# Allegro board LAY-27392_C.brd (continued)
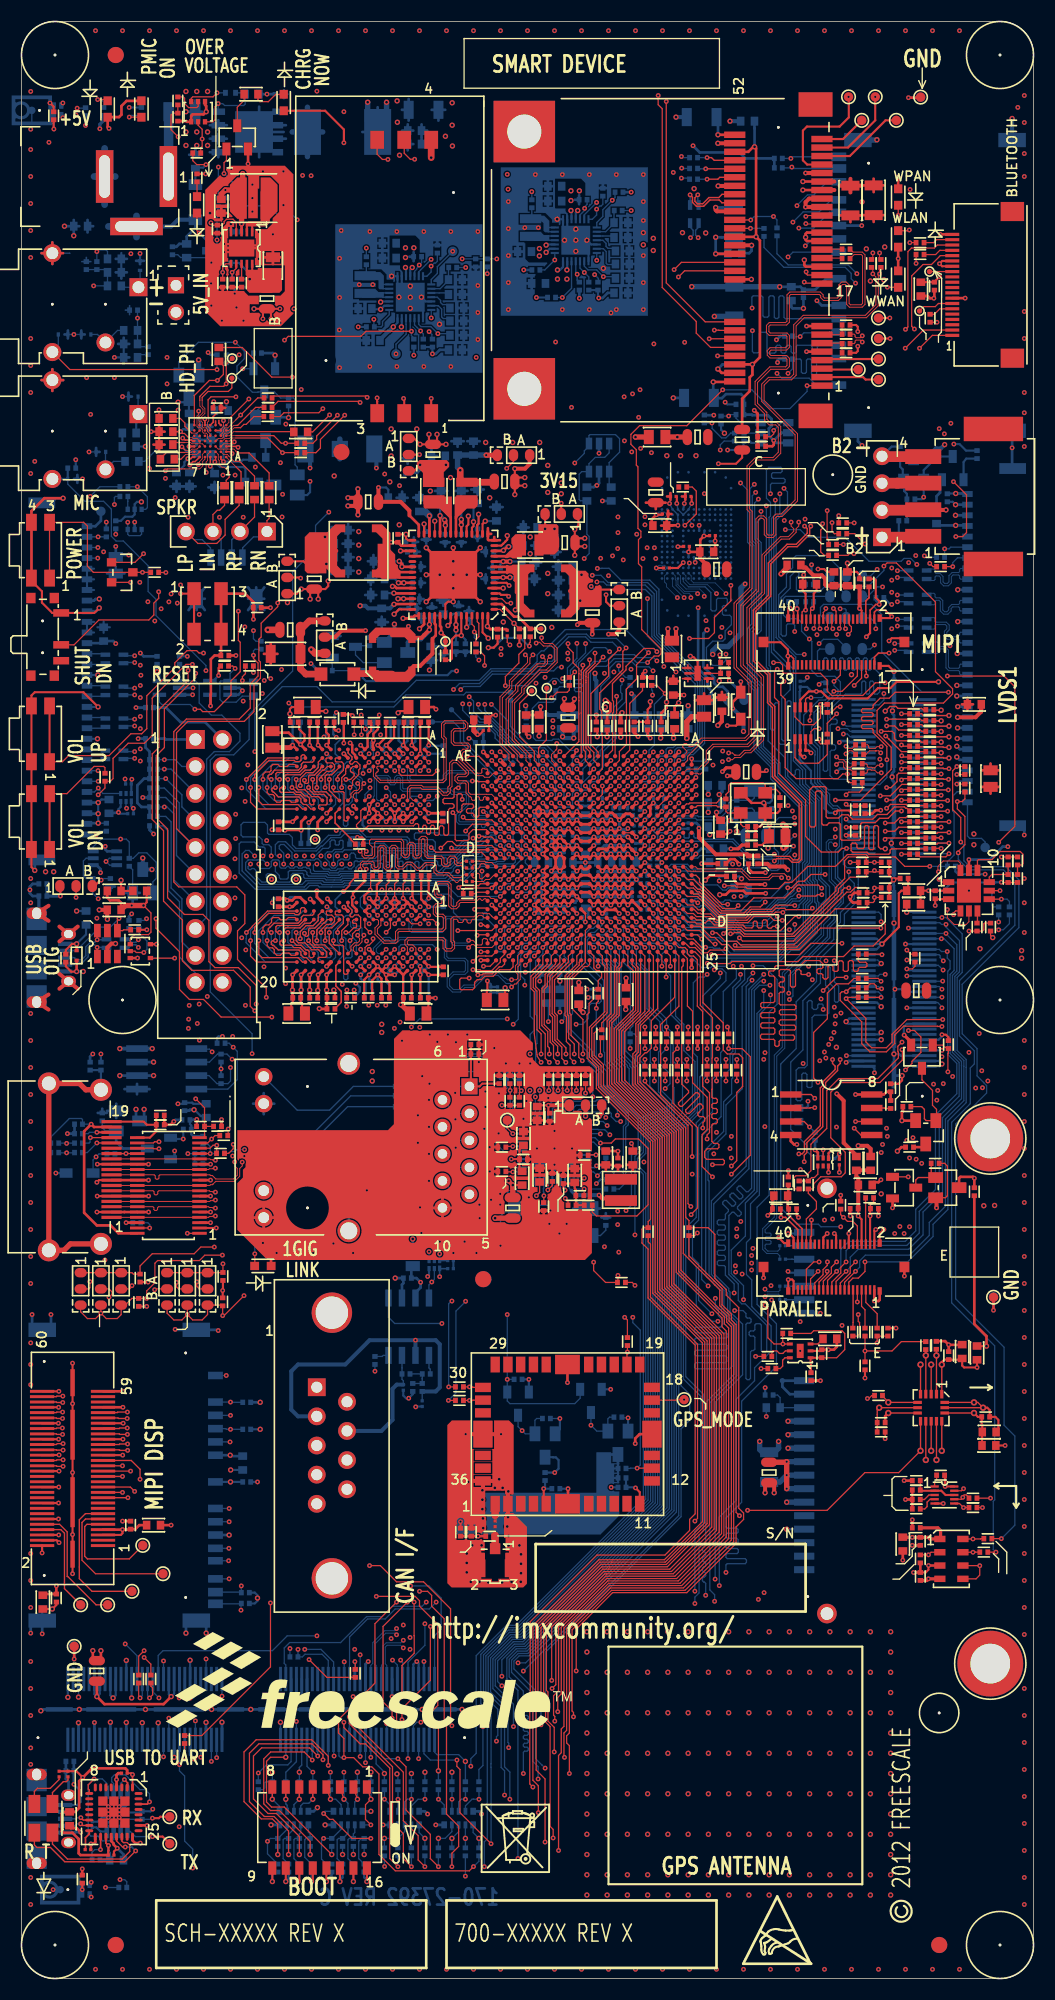
[diagram p0: board, top side]
## Routing (per net, layer and track width the routed paths; a pad name or vN(x,y) marks a point on that pad's centre or on a via; arc(x,y) is an arc through that point) (continued)
BAT_CEN_B: length 21.3
  L3_INT_1 w0.114: v1(41.48,161.8) 39.73,160.05 39.73,157.4 38.57,156.25 v1(38.57,156.25)
  L6_INT_2 w0.114: v1(54.14,161.66) 50.91,161.66 50.47,161.21 45.31,161.21 v1(44.74,161.79)
  BOTTOM w0.119: v1(41.48,161.8) 41.48,161.79 R729.1 R728.2 v1(44.74,161.79) ; U502.14 v1(54.14,161.66) ; U503.14 v1(38.57,156.25)
BATT_TEMP1: length 12
  L6_INT_2 w0.127: v1(57.38,166.34) 55.24,164.21 55.24,160.6 v1(54.76,160.12)
  BOTTOM w0.127: U502.16 52.97,161.11 53.32,160.76 54.13,160.76 v1(54.76,160.12) 55.74,160.12 RT500.1 ; R518.2 v1(57.38,166.34)
BATT_TEMP2: length 12.1
  L3_INT_1 w0.127: v1(39.19,154.76) 40.51,156.08 40.51,159.69 v1(41.81,160.99)
  BOTTOM w0.127: RT501.1 40.18,154.76 v1(39.19,154.76) 38.53,155.42 37.6,155.42 37.4,155.63 U503.16 ; R519.2 v1(41.81,160.99)
BATT_VSENSE: length 6.5
  BOTTOM w0.203: R565.2 82.68,142.24 82.93,141.99 82.93,140.95 Q508.2 83.06,140.83 83.06,139.95 83.32,139.69 R575.1 83.31,139.18 R576.1 R577.2
BATT_VSENSE_IN: length 48.9
  TOP w0.254: v1(89.15,105.28) U11.11
  L6_INT_2 w0.203: v1(92.81,106.5) 92.81,107.16 92.08,107.9 92.08,123.34 90.7,124.72 90.7,125.83 90.22,126.31 90.22,139.6 88.11,141.71 88.11,143.08 v2(86.87,144.32)
  BOTTOM w0.254: v1(92.81,106.5) 92.33,106.5 91.11,105.28 v1(89.15,105.28)
  BOTTOM w0.381: Q508.3 85.17,143.09 86.06,143.97 86.51,143.97 v2(86.87,144.32)
BATT_VSENSE_PWR: length 6.7
  BOTTOM w0.203: R575.2 84.71,139.19 v1(84.9,139.38) Q508.1 84.9,141.92 86.18,143.21 Q507.3
BATTERY_1: length 12.2
  TOP w1.016: CON2.4 81.01,143.2 CON3.4
  L4_PWR_1 w0.495: 80.23,142.48 CON3.4 ; CON3.4 81.72,143.98 ; CON3.4 80.23,143.98 ; CON3.4 81.72,142.48
  BOTTOM w0.203: CON3.4 81.88,144.14 R565.1 ; v2(51.33,160.76) 51.37,160.79 U502.20 ; U502.21 50.97,161.04 50.69,160.76 v2(50.44,160.76)
  vias: v2(50.44,159.89) v2(51.33,159.89)
BATTERY_2: length 14.2
  TOP w1.016: CON3.1 84.77,135.61 CON2.1
  L3_INT_1 w0.508: v2(35,155.4) v2(35.76,155.4)
  L4_PWR_1 w0.495: CON3.1 80.98,136.61 ; CON3.1 79.97,135.61 ; CON3.1 81.98,135.61
  BOTTOM w0.203: v2(35,155.4) 35.4,155.79 U503.21 ; U503.20 35.8,155.43 v2(35.76,155.4) ; R577.1 82.56,136.01 82.16,135.64 81,135.64 CON3.1
  BOTTOM w0.381: v2(35,155.4) 34.6,154.99 34.55,154.99 33.75,154.19 C527.1
BCH1_BST: length 11.1
  L6_INT_2 w0.127: v1(54.13,167.11) 53.69,166.67 53.69,166.01 53.16,165.48 51.23,165.48 50.75,165.96 50.18,165.96 v1(48.02,168.12)
  BOTTOM w0.127: v1(54.13,167.11) 52.97,165.94 U502.6 ; v1(48.02,168.12) 48.03,168.12 C512.1
BCH1_CS: length 3.1
  BOTTOM w0.127: 49.54,163.95 U502.26 ; U502.25 48.28,163.55 L502.2
BCH1_CT: length 1.7
  BOTTOM w0.127: U502.10 55.62,163.95 C517.1
BCH1_DCM: length 2.1
  BOTTOM w0.127: U502.5 52.57,165.93 52.98,166.35 53,166.36 v1(53,166.55) 53,166.69 53.23,166.93 R515.2
BCH1_IDC: length 2.3
  BOTTOM w0.127: U502.11 54.71,163.55 55.02,163.25 55.02,162.97 55.19,162.79 55.64,162.79 R527.1
BCH1_ISET: length 3
  BOTTOM w0.127: U502.13 54.76,162.75 55.03,162.48 55.03,161.38 55.14,161.26 55.82,161.26 R530.1
BCH1_IUSB: length 10.5
  L6_INT_2 w0.114: v1(53.94,160.31) 53.94,160.82 54.53,161.42
  L6_INT_2 w0.127: v1(54.13,166.47) 54.13,165.28 54.53,164.87 54.53,161.42
  BOTTOM w0.119: v1(54.13,166.47) 54.42,166.77 54.55,166.77 54.71,166.93 R513.1
  BOTTOM w0.127: U502.7 53.73,165.53 54.13,165.93 v1(54.13,166.47) ; R534.2 54.3,159.65 54.3,159.95 v1(53.94,160.31)
BCH1_LX: length 2.2
  BOTTOM w0.127: 48.03,165.58 C512.2 ; U502.27 49.59,164.35 ; U502.28 49.58,164.75
BCH1_USB: length 2.3
  BOTTOM w0.119: R535.2 53.39,160.1
  BOTTOM w0.127: 53.39,160.1 v1(52.97,160.52) 52.57,160.92 U502.17
BCH1_VL: length 3.2
  BOTTOM w0.127: R518.1 55.76,166.32 C514.1 55.76,165.14 54.98,164.35 U502.9
BCH2_BST: length 10.5
  L6_INT_2 w0.127: v1(38.56,161.75) 37.29,160.48 35.43,160.48 33.39,162.52 32.76,162.52 v1(32.46,162.81)
  BOTTOM w0.127: v1(38.56,161.75) 37.4,160.59 U503.6 ; C513.1 v1(32.46,162.81)
BCH2_CS: length 1.3
  BOTTOM w0.127: 33.97,158.59 U503.26 ; U503.25 33.99,158.19
BCH2_CT: length 1.7
  BOTTOM w0.127: C518.1 40.05,158.59 U503.10
BCH2_DCM: length 2.1
  BOTTOM w0.119: U503.5 37,160.61 37.19,160.81 37.19,160.89 37.31,161.01 37.31,161.08 v1(37.44,161.21) 37.66,161.44 R516.2
BCH2_IDC: length 2.3
  BOTTOM w0.127: R528.1 40.01,157.5 39.64,157.5 39.45,157.69 39.45,157.89 39.14,158.19 U503.11
BCH2_ISET: length 2.8
  BOTTOM w0.127: R531.1 40.1,156.18 39.7,156.18 39.55,156.34 39.55,157.07 39.23,157.39 U503.13
BCH2_IUSB: length 10.4
  L3_INT_1 w0.127: v1(38.56,161.11) 38.56,157.3 38.05,156.79 38.05,155.27 v1(38.37,154.95)
  BOTTOM w0.119: R514.1 39.14,161.57 38.98,161.41 38.85,161.41 v1(38.56,161.11)
  BOTTOM w0.127: R537.2 38.63,154.3 38.63,154.69 v1(38.37,154.95) ; U503.7 38.16,160.17 38.56,160.57 v1(38.56,161.11)
BCH2_LX: length 2.3
  BOTTOM w0.127: L503.1 32.46,160.32 C513.2 ; U503.27 34.02,158.99 ; U503.28 34.01,159.39
BCH2_USB: length 2.3
  BOTTOM w0.127: R538.2 37.82,154.74 37.54,155.02 v1(37.57,155.02) 37,155.59 U503.17
BCH2_VL: length 3.2
  BOTTOM w0.127: R519.1 40.19,160.96 C515.1 40.19,159.78 39.41,158.99 U503.9
BCLK1: length 6.5
  TOP w0.076: 20.19,145.54 19.98,145.54 19.59,145.15 U7.E1
  TOP w0.119: R14.2 25.62,145.54 20.19,145.54
BOOT_MODE0: length 28.7
  TOP w0.119: R108.1 v1(80.26,101.73) 80.26,101.37 80.14,101.24 R109.2 79.57,100.83 79.4,100.66 76.58,100.66 72.97,97.05 67.33,97.05 v1(67.16,97.22)
  TOP w0.178: v1(61.87,106.61) U1.C12
  L3_INT_1 w0.114: v1(67.16,97.22) 67.16,98.42 63.6,101.98 63.6,104.42 63.05,104.97 63.05,105.97 62.83,106.2 62.33,106.2 61.92,106.61 v1(61.87,106.61)
BOOT_MODE1: length 31.2
  TOP w0.119: R105.1 v1(80.26,102.62) 80.26,102.31 80.11,102.16 R106.2 79.57,102.55 79.45,102.67 78.46,102.67 78.19,102.4 78.19,102.4 78.02,102.23 77.66,102.23 72.71,97.27 67.66,97.27 67.32,97.61 66.22,97.61 65.43,98.4 65.03,98.4 v1(65.03,98.4)
  TOP w0.178: v1(59.47,106.61) U1.F12
  L3_INT_1 w0.114: v1(59.47,106.61) 59.88,106.2 59.88,105.65 60.11,105.42 60.44,105.42 61.21,104.65 61.98,104.65 62.74,103.89 62.74,100.58 64.93,98.4 v1(65.03,98.4)
BT_CFG1_0: length 5.3
  BOTTOM w0.119: R719.2 23.16,11.75 v1(23.16,12.93) 23.44,13.2 R702.1
  BOTTOM w0.127: R702.1 24.16,13.2 25.01,14.06 RN503.9
BT_CFG1_1: length 4.5
  BOTTOM w0.119: R718.2 24.64,11.3 24.64,13.08 24.76,13.2 R701.1
  BOTTOM w0.127: RN503.8 25.65,14.1 25.15,13.59 R701.1
BT_CFG1_2: length 4.4
  BOTTOM w0.119: R717.2 25.65,11.3 25.65,13.08 25.77,13.2 R700.1
  BOTTOM w0.127: RN503.7 26.29,13.75 26.16,13.62 R700.1
BT_CFG1_3: length 4.5
  BOTTOM w0.119: R699.1 26.79,13.2 26.67,13.08 26.67,11.42 R716.2
  BOTTOM w0.127: RN503.6 27.02,13.78 27.18,13.62 R699.1
BT_CFG1_4: length 4
  TOP w0.127: SW6.5 v2(27.43,16.89)
  BOTTOM w0.127: R690.1 27.43,17.78 v2(27.43,16.89) 27.05,16.51 26.53,16.51 26.29,16.27 RN503.4
BT_CFG1_5: length 3.4
  TOP w0.127: SW6.6 v2(26.16,16.89)
  BOTTOM w0.127: R691.1 26.16,17.78 v2(26.16,16.89) 25.65,16.38 RN503.3
BT_CFG1_6: length 3.2
  TOP w0.127: SW6.7 v2(24.89,16.89)
  BOTTOM w0.127: RN503.2 25.01,16.31 24.89,16.44 v2(24.89,16.89) 24.89,17.78 R692.1
BT_CFG1_7: length 3.5
  TOP w0.127: SW6.8 v2(23.62,16.89)
  BOTTOM w0.127: R693.1 23.62,17.78 v2(23.62,16.89) 24.29,16.22 RN503.1
BT_CFG2_0: length 5.6
  BOTTOM w0.119: R715.2 29.2,10.79 28.7,10.79 28.24,11.25 28.24,13 v1(28.44,13.2) R698.1 ; 30.09,14.32 30.09,14.06 29.78,13.75
  BOTTOM w0.127: 29.78,13.75 29.24,13.2 R698.1 ; 30.09,14.32 RN502.9
BT_CFG2_1: length 4.6
  BOTTOM w0.119: R714.2 29.72,11.3 29.72,13.08 29.84,13.2 R697.1
  BOTTOM w0.127: R697.1 30.25,13.2 30.73,13.68 RN502.8
BT_CFG2_2: length 4.4
  BOTTOM w0.119: R696.1 30.85,13.2 30.73,13.08 30.73,11.3 R713.2
  BOTTOM w0.127: RN502.7 31.37,13.75 31.24,13.62 R696.1
BT_CFG2_3: length 5.7
  TOP w0.119: v1(32.89,14.47) 32.89,14.48 32.38,14.99 32.38,16.37 v2(32.9,16.89)
  TOP w0.127: SW6.1 v2(32.9,16.89)
  BOTTOM w0.119: RN502.6 v1(32.89,14.47)
  BOTTOM w0.127: v2(32.9,16.89) 32.9,17.78 R686.1
BT_CFG2_4: length 3.3
  TOP w0.127: SW6.2 v2(31.63,16.89)
  BOTTOM w0.119: v2(31.63,16.89) 31.37,16.63 RN502.4
  BOTTOM w0.127: v2(31.63,16.89) 31.63,17.78 R687.1
BT_CFG2_5: length 3.4
  TOP w0.127: SW6.3 v2(30.36,16.89)
  BOTTOM w0.119: RN502.3 30.73,16.51 v2(30.36,16.89)
  BOTTOM w0.127: R688.1 30.36,17.78 v2(30.36,16.89)
BT_CFG2_6: length 4
  TOP w0.127: SW6.4 v2(29.09,16.89)
  BOTTOM w0.119: v2(29.09,16.89) 29.09,16.89 29.59,16.89 30.09,16.39 RN502.2
  BOTTOM w0.127: v2(29.09,16.89) 29.09,17.78 R689.1
BT_CFG2_7: length 10.1
  TOP w0.119: v1(32.89,13.2) 31.12,13.2 29.32,15 28.99,15 v1(28.45,15.54)
  BOTTOM w0.119: R712.2 31.75,11.3 31.75,12.95 32,13.2 R695.1 v1(32.89,13.2) ; RN502.1 28.57,15.75 28.45,15.63 v1(28.45,15.54)
BT_CFG3_0: length 3.1
  BOTTOM w0.119: R710.1 v2(34.16,13.21) 34.8,13.21 35.43,13.84 RN501.9
BT_CFG3_1: length 2.4
  BOTTOM w0.119: RN501.8 36.07,13.84 v2(35.43,13.21) R709.1
BT_CFG3_2: length 2.2
  BOTTOM w0.119: RN501.7 36.7,14.47 v2(36.7,13.21) R708.1
BT_CFG3_3: length 2.4
  BOTTOM w0.119: RN501.6 37.43,13.75 v2(37.97,13.21) R707.1
BT_CFG3_4: length 2.9
  BOTTOM w0.119: v1(37.98,16.89) 37.32,16.89 36.71,16.27 RN501.4
  BOTTOM w0.127: R682.1 37.98,17.78 v1(37.98,16.89)
BT_CFG3_5: length 2.5
  BOTTOM w0.119: v1(36.71,16.89) 36.7,16.89 36.32,16.89 36.07,16.64 RN501.3
  BOTTOM w0.127: v1(36.71,16.89) 36.71,17.78 R683.1
BT_CFG3_6: length 2
  BOTTOM w0.119: v1(35.44,16.89) 35.44,15.76 RN501.2
  BOTTOM w0.127: v1(35.44,16.89) 35.44,17.78 R684.1
BT_CFG3_7: length 2.3
  BOTTOM w0.119: RN501.1 34.71,16.35 v1(34.17,16.89)
  BOTTOM w0.127: v1(34.17,16.89) 34.17,17.78 R685.1
BT_CFG4_0: length 3.1
  BOTTOM w0.119: v2(39.24,13.21) 39.88,13.21 40.51,13.84 RN500.9
  BOTTOM w0.127: R706.1 v2(39.24,13.21)
BT_CFG4_1: length 2.4
  BOTTOM w0.119: RN500.8 41.15,13.84 v2(40.51,13.21)
  BOTTOM w0.127: R705.1 v2(40.51,13.21)
BT_CFG4_2: length 2.2
  BOTTOM w0.119: v2(41.78,13.21) 41.78,14.47 RN500.7
  BOTTOM w0.127: R704.1 v2(41.78,13.21)
BT_CFG4_3: length 2.4
  BOTTOM w0.119: v2(43.05,13.21) 42.51,13.75 RN500.6
  BOTTOM w0.127: R703.1 v2(43.05,13.21)
BT_CFG4_4: length 2.9
  BOTTOM w0.119: RN500.4 41.79,16.27 42.41,16.89 42.54,16.89 42.55,16.89 v1(43.06,16.89)
  BOTTOM w0.127: v1(43.06,16.89) 43.06,17.78 R678.1
BT_CFG4_5: length 2.5
  BOTTOM w0.119: RN500.3 41.15,16.64 41.4,16.89 41.78,16.89 v1(41.79,16.89)
  BOTTOM w0.127: R679.1 41.79,17.78 v1(41.79,16.89)
BT_CFG4_6: length 2
  BOTTOM w0.119: v1(40.52,16.89) 40.52,15.76 RN500.2
  BOTTOM w0.127: R680.1 40.52,17.78 v1(40.52,16.89)
BT_CFG4_7: length 2.3
  BOTTOM w0.119: v1(39.25,16.89) 39.79,16.35 RN500.1
  BOTTOM w0.127: v1(39.25,16.89) 39.25,17.78 R681.1
BT_DISABLE: length 33.2
  TOP w0.119: R212.2 75.54,133.91 75.21,134.24 75.21,136.29 75.39,136.47 v1(75.39,136.88) ; v1(84.51,153.39) 85.72,154.6 J13.1
  L3_INT_1 w0.114: v1(84.51,153.39) 84.51,137.8 83.36,136.65 79.71,136.65 78.92,137.44 78.16,137.44 77.29,136.58 75.69,136.58 v1(75.39,136.88)
BT_HOST_WAKE: length 3.4
  TOP w0.119: TP29.1 84.91,157.3 85.98,157.3 86.28,157.6 J13.7
BT_PWD_L: length 2.3
  TOP w0.119: J13.6 87.59,157.1 86.41,157.1 85.9,156.58 R209.2
BT_UART_CTS: length 2.8
  TOP w0.119: R210.2 86.02,162.2 86.41,162.6 J13.17
BT_UART_RTS: length 2.8
  TOP w0.119: R211.2 85.83,163.32 86.11,163.6 87.58,163.6 J13.19
BT_UART_RXD: length 37.3
  TOP w0.119: v1(76.28,136.98) 76.28,136.15 76.49,135.94 R214.2 ; v1(84.02,155.19) 83.77,155.45 83.77,160.2 84.84,161.26 85.62,161.26 86.46,162.1 J13.16
  L3_INT_1 w0.114: v1(76.28,136.98) 77.24,136.98 77.98,137.72 79.22,137.72 79.98,136.96 83.03,136.96 84.02,137.95 v1(84.02,155.19)
BT_UART_TXD: length 35.7
  TOP w0.119: v1(83.19,155.17) 83.41,155.4 83.41,162.48 83.74,162.81 85.9,162.81 86.18,163.1 J13.18 ; R215.2 v1(76.9,137.64)
  L3_INT_1 w0.114: v1(83.19,155.17) 83.72,154.64 83.72,140.03 82.88,139.19 80.19,139.19 79.02,138.02 77.72,138.02 77.34,137.64 v1(76.9,137.64)
BT_WAKEUP: length 29.9
  TOP w0.119: R213.2 75.95,135.37 75.81,135.51 75.81,138.11 v1(75.82,138.11) ; v1(83.16,153.39) 84.87,155.1 J13.2
  L3_INT_1 w0.114: v1(75.82,138.11) 77.33,138.11 77.55,138.33 78.77,138.33 80.01,139.57 82.7,139.57 83.16,140.03 v1(83.16,153.39)
CABC_EN0: length 113.6
  TOP w0.119: U1.A17 63.25,102.03 63.7,102.03 65.71,100.02 68.07,100.02 68.67,100.61 70.56,100.61 70.95,100.99 72.74,100.99 v1(72.77,100.97)
  L3_INT_1 w0.114: v1(73.55,86.11) 73.55,89.08 72.65,89.98 72.65,92.96 72.11,93.49 72.11,97.89 71.75,98.25 71.75,99.06 72.26,99.57 72.26,100.46 v1(72.77,100.97)
  L6_INT_2 w0.114: v1(7.06,107.65) 7.06,106.68 8.53,105.21 8.53,101.83 8.97,101.4 12.57,101.4 13.82,100.15 13.82,91.69 14.78,90.73 16.94,90.73 18.11,89.56 20.42,89.56 20.78,89.2 32.39,89.2 34.34,87.26 41.66,87.26 43.54,89.14 55.94,89.14 57.15,87.93 59.57,87.93 59.75,88.11 67.27,88.11 69.27,86.11 v1(73.55,86.11)
  BOTTOM w0.127: R614.2 7.37,107.96 v1(7.06,107.65) J503.1
CABC_EN1: length 102
  TOP w0.178: U1.D16 v1(61.07,102.61)
  L3_INT_1 w0.114: v2(87.91,139.72) 86.58,138.39 86.58,136.28 93.67,129.19 93.67,107.49 93.97,107.19 93.97,97.45 89.83,93.31 89.83,89.21 v1(90.12,88.92) ; v1(69.85,86.49) 69.88,86.49 70.35,86.96 70.35,87.56 68.9,89.02 68.9,90.8 66.15,93.54 66.15,94.78 65.64,95.3 65.04,95.3 64.86,95.12 64.31,95.12 63.37,96.06 63.37,99.23 62.36,100.24 62.36,101.07 62.03,101.4 61.73,101.4 61.48,101.65 61.48,102.2 v1(61.07,102.61)
  L6_INT_2 w0.114: v1(69.85,86.49) 73.77,86.49 74.45,85.81 78.7,85.81 79.21,86.32 82.05,86.32 82.52,86.79 84,86.79 85.34,88.14 89.34,88.14 v1(90.12,88.92)
  BOTTOM w0.203: v2(87.91,139.72) 87.19,139.72 87.17,139.69 R574.2
  BOTTOM w0.254: v2(87.91,139.72) 88.96,139.72 J502.1
CAM2_1V5: length 6.3
  TOP w0.119: v1(73.79,128.75) 73.63,128.75 73.45,128.57 J5.36
  TOP w0.203: v1(73.79,128.75) 73.79,130.3 73.52,130.57 C30.1 73.52,131.98 v1(73.61,132.07)
  BOTTOM w0.119: v1(73.61,132.07) 73.77,131.92 R726.2
  BOTTOM w0.203: C587.1 73.79,129.41 v1(73.79,128.75)
CAM_1V5: length 6.2
  TOP w0.152: J9.36 73.45,70.56 72.19,71.83 C105.1
  TOP w0.254: C105.1 72.1,72.51 C101.1 72.11,73.66 72.16,73.71 R157.2
CAN1_OUT: length 3
  BOTTOM w0.119: U518.4 38.35,65.28 v1(38.62,65.54) 38.86,65.79 U517.2
CAN1_RX: length 139.7
  TOP w0.119: R69.2 79.11,111.88 78.87,111.63 77.85,111.63 v1(77.6,111.38)
  L6_INT_2 w0.114: v1(77.09,70.74) 77.09,69.72 76.7,69.33 76.11,69.33 76.01,69.22 76.01,67.98 75.9,67.87 75.75,67.87 75.64,67.98 75.64,69.22 75.53,69.33 75.38,69.33 75.27,69.22 75.27,67.98 75.16,67.87 75.01,67.87 74.9,67.98 74.9,69.22 74.79,69.33 74.64,69.33 74.53,69.22 74.53,66.12 74.43,66.01 74.27,66.01 74.16,66.12 74.16,69.22 74.06,69.33 73.9,69.33 73.8,69.22 73.8,66.12 73.69,66.01 73.54,66.01 73.43,66.12 73.43,69.22 73.32,69.33 73.17,69.33 73.06,69.22 73.06,66.12 72.95,66.01 72.8,66.01 72.69,66.12 72.69,69.22 72.58,69.33 72.43,69.33 72.32,69.22 72.32,67.07 72.22,66.96 72.06,66.96 71.96,67.07 71.96,69.22 71.85,69.33 71.69,69.33 71.59,69.22 71.59,66.43 71.48,66.33 71.33,66.33 71.22,66.43 71.22,69.22 71.11,69.33 70.96,69.33 70.85,69.22 70.85,66.43 70.74,66.33 70.59,66.33 70.48,66.43 70.48,69.22 70.37,69.33 70.22,69.33 70.11,69.22 70.11,66.43 70.01,66.33 69.85,66.33 69.75,66.43 69.75,69.22 69.64,69.33 68.17,69.33 67.3,68.45 57.07,68.45 56.64,68.88 55.55,68.88 55.12,68.45 46.61,68.45 45.59,69.47 44.75,69.47 44.14,68.86 38.82,68.86 v1(38.36,68.4) ; v1(77.6,111.38) 78.05,110.92 78.05,105.79 77.6,105.33 77.6,105.2 77.59,105.19 77.59,104.87 77.85,104.61 v1(77.85,104.14)
  BOTTOM w0.119: v1(77.85,104.14) 77.85,103.56 78.37,103.04 78.37,102.78 78.37,102.78 78.37,102.45 78.37,102.45 78.37,101.61 77.06,100.3 77.06,99.39 76.44,98.76 76.44,97.78 74.81,96.15 74.81,93.82 72.9,91.9 72.9,87.5 71.45,86.06 71.45,72.52 72.98,70.98 74.99,70.98 75.23,70.74 v1(77.09,70.74) ; U517.4 v1(38.36,68.4)
CAN1_STBY: length 1.3
  BOTTOM w0.119: R661.2 33.95,58.54 34.05,58.64 U518.8
CAN1_TX: length 88.7
  TOP w0.119: R114.2 83.7,96.39 83.32,96.77 83.32,96.77 83.31,96.77 v1(83.31,96.77)
  L3_INT_1 w0.114: v1(83.57,70.74) 83.57,73.85 82.01,75.41 82.01,78.02 82.44,78.45 82.44,80.56 82.44,81.36 82.17,81.62 82.17,85.47 83.85,87.15 83.85,89.37 83.53,89.69 83.34,89.69 82.8,90.22 82.8,96.26 v1(83.31,96.77)
  L6_INT_2 w0.114: v1(83.57,70.74) 83.57,68.83 82.3,67.56 82.3,62.59 81.56,61.85 75.93,61.85 75.18,61.1 65.85,61.1 65.85,61.09 65.22,61.09 65.21,61.1 53.51,61.1 52.96,61.65 v1(39.57,61.65)
  BOTTOM w0.127: U518.1 34.54,62.23 35.13,61.65 v1(39.57,61.65)
CAN_5V: length 3.9
  BOTTOM w0.254: U518.3 37.08,64.54 37.57,65.02 v1(37.57,65.52) 37.18,65.91 C755.1 36.7,66.9 R660.2
CAN_SPLIT: length 1.8
  BOTTOM w0.127: R662.2 38.47,57.34 38.35,57.46 U518.5
CAN_SPLT: length 2.9
  BOTTOM w0.127: C758.1 R665.1 37.72,56.45 37.73,56.45 R662.1 R663.1
CANH: length 11.6
  BOTTOM w0.119: R663.2 35.82,56.39 35.94,56.27 C759.1
  BOTTOM w0.127: U518.7 35.81,57.47 35.82,57.47 R663.2
  BOTTOM w0.381: J10.7 33.88,51.53 34.92,52.58 34.92,55.5 35.32,55.89 C759.1
CANL: length 29.8
  BOTTOM w0.127: C760.1 R665.2
  BOTTOM w0.381: R665.2 39,55.25 39.37,55.63 39.37,59.69 38.99,60.07 v1(37.08,60.07) ; J10.2 26.04,52.91 25.4,53.54 25.4,57.15 26.04,57.78 30.48,57.78 32.77,60.07 v1(37.08,60.07) ; U518.6 v1(37.08,60.07)
CAP_TCH_INT0: length 125.5
  TOP w0.119: v1(75.29,102.6) 75,102.89 73.04,102.89 71.83,101.68 68.91,101.68 67.69,100.46 65.89,100.46 63.88,102.47 63.68,102.47 63.15,103.01 U1.A16
  L3_INT_1 w0.114: v1(64.26,139.71) 64.26,137.67 65.91,136.02 65.91,133.96 67.16,132.72 67.16,129.39 67.56,128.99 69.91,128.99 75.48,123.42 75.48,120.88 75.89,120.47 75.89,118.22 75.89,115.36 75.77,115.24 75.77,112.95 75.77,112.77 75.18,112.18 75.18,111.2 75.18,111.02 75.18,108.54 75.18,108.54 75.18,106.34 75.18,106.34 75.18,104.3 75.02,104.14 75.02,103.64 75.29,103.36 v1(75.29,102.6)
  L6_INT_2 w0.114: v1(7.23,135.65) 7.23,135.63 6.6,135 6.6,133.48 6.86,133.22 8.38,133.22 10.13,134.98 12.32,134.98 13.7,133.6 24.44,133.6 27.73,136.88 33.68,136.88 36.31,139.51 42.38,139.51 43.05,140.18 45.11,140.18 46.56,138.73 49.83,138.73 50.34,139.24 52.01,139.24 52.35,139.58 60.01,139.58 60.3,139.29 62.41,139.29 62.83,139.71 v1(64.26,139.71)
  BOTTOM w0.127: R579.2 8,135.65 v1(7.23,135.65) J503.29
CAP_TCH_INT1: length 36.8
  TOP w0.119: v1(85.47,104.65) 83.11,104.65 82.22,105.54 79.69,105.54 79.47,105.76 77.72,105.76 76.61,104.65 73.99,104.65 72.49,103.15 71.86,103.15 71.26,102.56 70.18,102.56 70.18,102.56 68.3,102.56 68.16,102.7 67.27,102.7 67.15,102.82 v1(66.14,102.82)
  TOP w0.178: U1.C15 v1(61.87,103.41)
  L6_INT_2 w0.114: v1(66.14,102.82) 64.57,102.82 64.11,102.36 62.97,102.36 62.12,103.21 62.06,103.21 v1(61.87,103.41)
  BOTTOM w0.119: J502.29 88.05,111.67 87.63,111.25 87.63,109.85 87.76,109.72 87.76,105.71 87.25,105.21 87.25,105.21 87.13,105.09 R616.2 v1(85.47,104.65)
CEC_BCK_PRO: length 2.8
  BOTTOM w0.119: R655.2 7.32,77.6 v1(7.04,77.32) 6.76,77.04 D504.C
CGND3: length 20.6
  L3_INT_1 w0.635: J7.SH1 J7.SH2
  BOTTOM w0.254: R658.1 C747.2 31.12,73.53 30.81,73.22 J7.SH2
CHG_FLT1_B: length 180.9
  TOP w0.119: R138.1 v1(66.29,84.45)
  L3_INT_1 w0.114: v1(16.76,88.29) 16,88.29 13.84,90.45 13.84,94.11 13.17,94.78 13.17,96.47 14.08,97.38 14.08,126.52 15.53,127.96 16.9,127.96 20.14,131.19 21.58,131.19 26,135.62 26,147.91 24.54,149.38 24.54,152.7 23.93,153.31 23.93,158.19 24.05,158.32 24.05,162.28 23.22,163.12 23.22,167.56 25.3,169.65 v1(26.47,169.65) ; v1(45.72,169.75) 49.82,165.65 49.82,164.07 52.3,161.59 v1(52.3,160.35)
  L6_INT_2 w0.114: v1(26.47,169.65) 27.13,170.31 44.52,170.31 45.08,169.75 v1(45.72,169.75) ; v1(66.29,84.45) 65.53,85.22 62.13,85.22 61.25,86.1 56.75,86.1 54.79,88.06 44.1,88.06 42.13,86.09 33.95,86.09 32.02,88.03 17.03,88.03 v1(16.76,88.29)
  BOTTOM w0.127: R536.2 52.3,159.81 v1(52.3,160.35) 52.17,160.48 U502.18
CHG_FLT2_B: length 133.7
  TOP w0.119: v1(24.77,154.15) 25.12,154.51 31.95,154.51 32.44,154.99 34.82,154.99 34.83,154.98 35.94,154.98 35.94,154.99 v1(36.7,154.99) ; R121.1 v1(58.67,87.5)
  L3_INT_1 w0.114: v1(16.56,89.87) 15.6,89.87 14.38,91.08 14.38,94.41 13.7,95.08 13.7,96.22 14.52,97.03 14.52,126.28 15.58,127.34 16.9,127.34 20.32,130.76 21.76,130.76 26.44,135.44 26.44,148.18 24.99,149.62 24.99,153.04 24.77,153.26 v1(24.77,154.15)
  L6_INT_2 w0.114: v1(16.56,89.87) 17.37,89.05 20.04,89.05 20.32,88.77 32.21,88.77 34.25,86.74 41.82,86.74 43.79,88.71 55.34,88.71 56.93,87.12 57.56,87.12 57.94,87.5 v1(58.67,87.5)
  BOTTOM w0.127: R539.2 36.9,154.38 36.7,154.58 v1(36.7,154.99) 36.7,155.09 36.6,155.2 U503.18
CHG_NW_LED_A: length 3.2
  TOP w0.119: R305.2 20.97,176.71 20.32,176.06 Q501.3
CHG_NW_LED_B: length 3.3
  TOP w0.119: R305.1 22.27,176.77 22.45,176.58 23.24,176.58 23.93,177.27 24.68,177.27 D3.C
CHG_NW_LED_EN: length 5.2
  TOP w0.119: v1(19.08,169.82) 19.08,170.84 19.3,171.07 19.3,172.14
  BOTTOM w0.119: R523.2 19.48,167.53 19.84,167.89 19.84,169.06 v1(19.08,169.82)
CHG_STATUS1_B: length 178.4
  TOP w0.127: R139.1 67.31,84.46 v1(67.32,84.45)
  L3_INT_1 w0.114: v1(45.8,168.35) 49.24,164.91 49.24,164 50.19,163.04 v1(50.19,161.7) ; v1(15.72,89.41) 14.1,91.03 14.1,94.23 13.42,94.91 13.42,96.37 14.3,97.24 14.3,126.39 15.56,127.65 16.91,127.65 17.47,128.22 20.23,130.98 21.67,130.98 26.22,135.53 26.22,148.09 24.77,149.54 24.77,152.78 24.28,153.26 24.28,154.92 24.77,155.4 24.77,155.61 24.77,155.61 24.77,164.41 23.72,165.46 23.72,167.64 25.34,169.26 26.9,169.26 v1(27.27,169.62)
  L6_INT_2 w0.114: v1(45.8,168.35) 44.06,170.09 27.74,170.09 v1(27.27,169.62) ; v1(67.32,84.45) 67.31,84.45 66.33,85.43 62.22,85.43 60.78,86.87 58.2,86.87 57.96,86.64 56.52,86.64 54.88,88.28 44.01,88.28 42.04,86.31 34.04,86.31 32.11,88.24 17.57,88.24 16.41,89.41 v1(15.72,89.41)
  BOTTOM w0.127: U502.22 v1(50.19,161.7) 49.25,160.76 R532.2
CHG_STATUS2_B: length 124.8
  TOP w0.119: R133.1 v1(60.58,84.45)
  L3_INT_1 w0.114: v1(33.17,156.11) 33.17,153.92 27.86,148.62 27.86,142.82 28.3,142.39 28.3,138.61 v1(28.93,137.97)
  L6_INT_2 w0.114: v1(60.58,84.45) 59.58,85.45 56.48,85.45 54.53,87.4 45.92,87.4 43.87,85.34 33.78,85.34 31.75,87.38 22.07,87.38 v1(21.72,87.02)
  BOTTOM w0.119: v1(21.72,87.02) 21.72,88.9 17.78,92.84 17.78,114.63 18.29,115.14 19.99,115.14 21.44,116.59 21.44,118.92 25.53,123.01 25.53,132.36 27.69,134.52 27.69,136.73 v1(28.93,137.97) ; v1(33.17,156.11) 33.17,155.44 R533.2
  BOTTOM w0.127: R533.2 33.86,155.4 33.99,155.52 33.99,155.91 34.62,156.54 U503.22
CLK1_N: length 79.8
  TOP w0.094: C12.1 78.35,153.82 78.44,153.92 78.44,154.06 78.54,154.15 78.94,154.15 v1(79.12,153.97) ; v1(66.54,114.69) 66.91,114.68 67.11,114.88 67.15,114.88 67.21,114.88 67.66,114.88 68.11,115.33 68.64,115.33 69.83,116.52 69.83,122.49 68.5,123.83 68.5,128.9 69.91,130.31 69.91,133.85 71.5,135.43 72.26,135.43 72.9,136.07 72.9,136.42 73.14,136.66 v1(73.14,137.03) ; v1(61.87,110.61) U1.C7
  L3_INT_1 w0.097: v1(66.54,114.69) 66.34,114.88 65.1,114.88 64.19,113.97 64.19,111.16 63.64,110.61 v1(61.87,110.61) ; v1(79.12,153.97) 78.98,154.12 78.32,154.12 78.21,154 78.21,153.59 78.09,153.47 77.92,153.47 77.8,153.59 77.8,154.07 77.75,154.12 77.38,154.12 77.3,154.03 77.3,152.96 77.39,152.86 79.09,152.86 79.32,152.63 79.32,152.25 79.09,152.02 77.39,152.02 77.3,151.92 77.3,151.73 77.39,151.63 79.09,151.63 79.32,151.4 79.32,151.02 79.09,150.79 77.39,150.79 77.3,150.69 77.3,148.54 77,148.24 76.48,148.24 76.2,148.52 76.2,154.03 76.07,154.15 75.41,154.15 75.29,154.03 75.29,146.53 74.85,146.1 74.85,146.1 72.47,143.71 72.47,138.83 72.9,138.4 72.9,137.65 73.14,137.4 v1(73.14,137.03)
CLK1_P: length 79.8
  TOP w0.094: C11.1 78.35,154.71 78.44,154.62 78.44,154.48 78.54,154.38 78.94,154.38 v1(79.12,154.56) ; v1(66.55,115.32) 66.92,115.31 67.12,115.11 67.15,115.11 67.21,115.11 67.56,115.11 68.01,115.56 68.55,115.56 69.61,116.62 69.61,122.4 68.27,123.74 68.27,128.99 69.68,130.41 69.68,133.94 71.41,135.66 72.16,135.66 72.67,136.17 72.67,136.42 72.43,136.66 v1(72.43,137.03) ; U1.D7 v1(61.07,110.61)
  L3_INT_1 w0.097: v1(61.07,110.61) 61.08,110.61 61.47,111 62.13,111 62.29,110.84 63.54,110.84 63.96,111.25 63.96,114.06 65.01,115.11 66.34,115.11 v1(66.55,115.32) ; v1(79.12,154.56) 78.91,154.34 77.28,154.34 77.07,154.13 77.07,152.86 77.3,152.63 79,152.63 79.1,152.54 79.1,152.34 79,152.25 77.3,152.25 77.07,152.02 77.07,151.63 77.3,151.4 79,151.4 79.1,151.31 79.1,151.12 79,151.02 77.3,151.02 77.07,150.79 77.07,148.64 76.9,148.47 76.57,148.47 76.43,148.62 76.43,154.12 76.17,154.38 75.32,154.38 75.06,154.12 75.06,146.63 74.63,146.2 74.63,146.19 72.24,143.8 72.24,138.73 72.67,138.3 72.67,137.65 72.43,137.4 v1(72.43,137.03)
CLKOUT2: length 8.5
  TOP w0.076: U7.E4 17.78,145.31 17.53,145.56 17.53,145.75 17.39,145.9 17.15,145.9 17.03,146.01 17.03,146.42 16.9,146.55 16.9,146.89 17.27,147.26 17.27,147.72 17.02,147.98 17.02,148.46
  TOP w0.119: TP11.1 19.81,149.66 19.48,149.33 17.58,149.33 17.02,148.77 17.02,148.46
CLKOUT5: length 8.6
  TOP w0.076: 16.8,148.46 16.8,147.95 17.09,147.65 17.09,147.33 16.73,146.96 16.73,146.35 16.78,146.3 U7.G6
  TOP w0.119: 16.8,148.46 16.8,148.86 17.75,149.81 19.05,149.81 v1(19.28,150.04) 19.28,151.87 TP10.1
CODEC_I2C_CLK: length 4.5
  TOP w0.076: 20.19,146.13 20,146.13 19.52,145.65 U7.F1
  TOP w0.119: 20.19,146.13 20.35,146.13 22.05,147.83 R12.2
CODEC_I2C_DAT: length 5.7
  TOP w0.076: U7.E2 18.78,145.27 19.03,145.52 19.03,145.77 19.17,145.9 19.44,145.9 20.19,146.66
  TOP w0.119: 20.19,146.66 v1(20.64,147.1) 22.25,148.72 R11.2
